# KiCad board PANEL5x4_COM_MOD.kicad_pcb (continued)
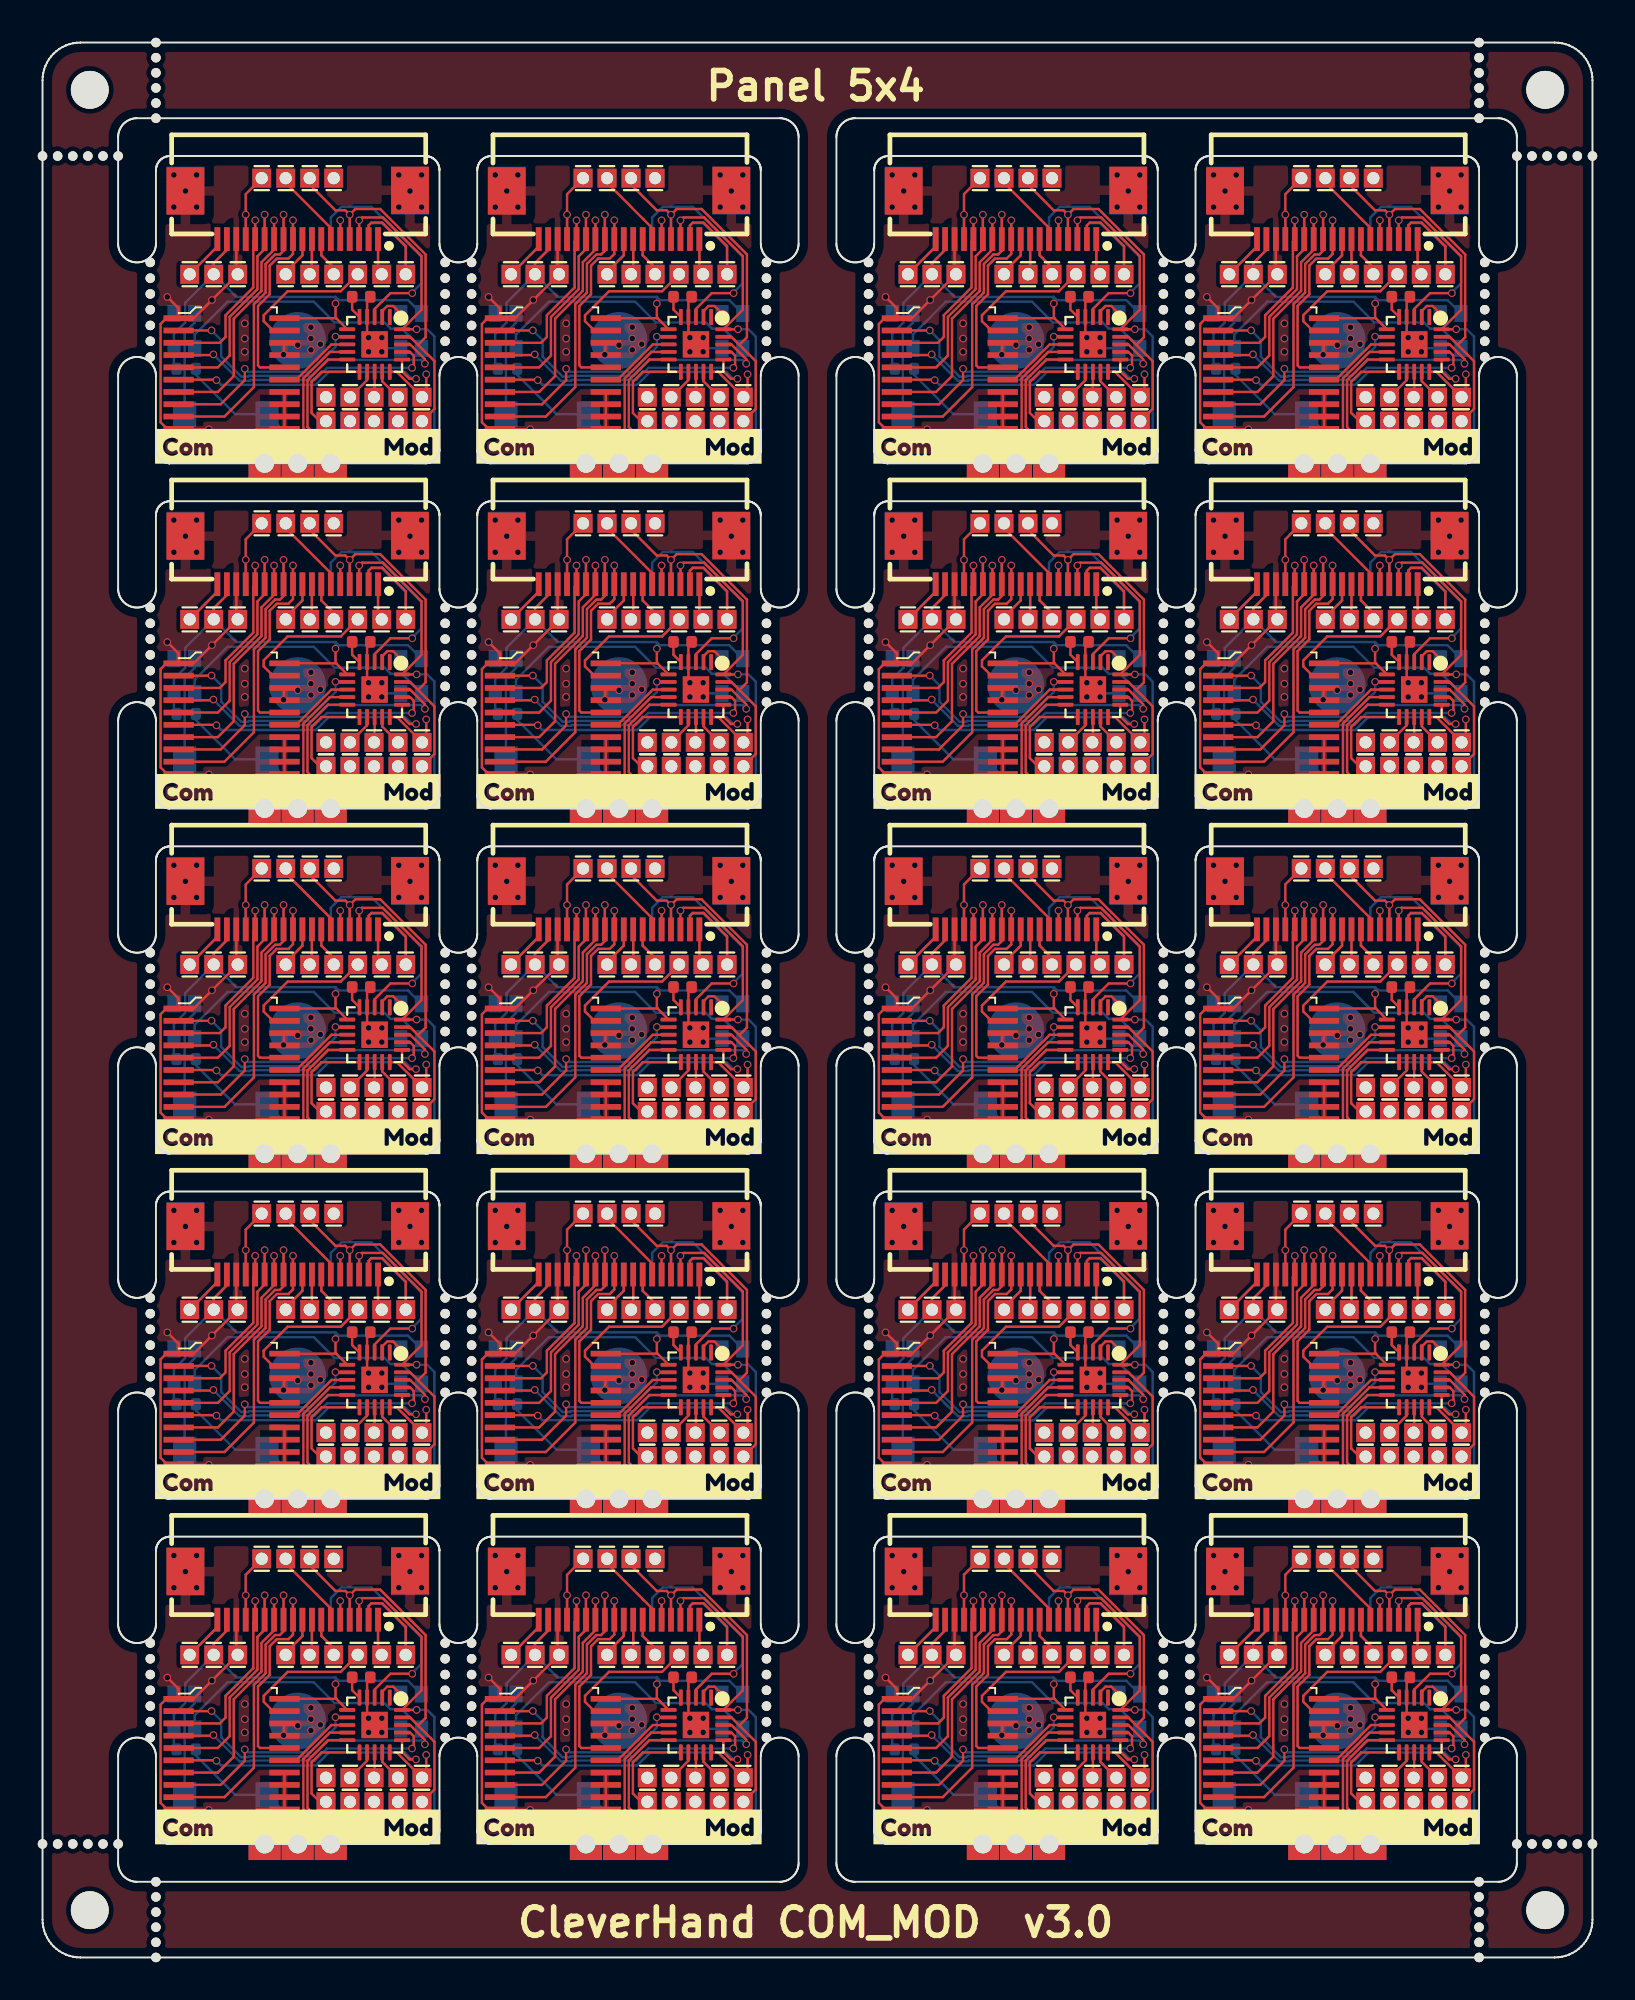
[diagram p0: board, top side]
## Routing (per net, layer and track width the routed paths; a pad name or vN(x,y) marks a point on that pad's centre or on a via; arc(x,y) is an arc through that point) (continued)
Board_6-/addr_mod_2: length 14.6
  Top w0.127: U1#19.16 57.02,65.62 57.42,65.22 v1(57.76,65.22) ; U2#5.6 47.17,65.18 v1(47.2,65.15)
  Bottom w0.127: v1(47.2,65.15) 47.45,64.9 52.46,64.9 53.14,65.58 57.18,65.58 57.55,65.22 v1(57.76,65.22)
Board_6-/addr_mod_3: length 11.2
  Top w0.127: U2#5.8 47.42,63.88 48.7,65.15 v1(48.7,65.75) ; v1(53.5,67.45) 53.68,67.45 53.69,67.44 U1#19.7
  Bottom w0.127: v1(53.5,67.45) 53.5,66.91 52.18,65.6 48.85,65.6 v1(48.7,65.75)
Board_6-/addr_mod_4: length 4.1
  Top w0.127: U2#5.15 51.42,65.18 53.29,67.04 54.12,67.04 U1#19.8
Board_6-/AIN0: length 5.3
  Top w0.127: U1#19.11 52.76,65.59 52.23,65.06 52.23,63.42 52.67,62.98 53,62.98
Board_6-/AUX1: length 4.9
  Top w0.127: J19#2.1 47.25,72.22 47.25,72.58
  Bottom w0.127: J19#2.1 47.25,72.22 47.25,72.58
Board_6-/AUX2: length 9.5
  Top w0.127: 55.25,72.58 55.25,73.33 55.4,73.48 55.97,73.48 57.22,72.24 J20#2.1
  Bottom w0.127: J20#2.1 57.22,72.19 55.96,73.45 55.37,73.45 55.25,73.33 55.25,72.58
Board_6-/AUX3: length 4.9
  Top w0.127: 48.75,72.58 v1(48.75,73.9) 48.75,74.99 J3#18.1
  Bottom w0.127: v1(48.75,73.9) 48.75,72.58
Board_6-/CSB: length 7.5
  Top w0.127: J8#20.1 53.77,69.85 50.97,69.85 49.7,68.58 49.7,68.27 50.19,67.78 U2#5.19
Board_6-/extRef: length 3.8
  Top w0.127: 55.75,72.58 55.75,70.95 J9#16.1
  Bottom w0.127: 55.75,72.58 55.75,70.95 J9#16.1
Board_6-/GPIO: length 17.7
  Top w0.127: U1#19.10 53.1,66.24 52.02,65.15 52.02,62.67 52.36,62.33 53.62,62.33 54.27,62.98
  Bottom w0.127: R1#9.2 46.11,65.43 48.19,63.35 49.88,63.35 50.91,62.33 53.62,62.33 54.27,62.98
Board_6-/i2C_SCL: length 22.5
  Top w0.127: v1(57.79,67.84) U1#19.20 58.05,68.87 58.05,71.71 56.01,73.75 54.9,73.75 v1(54.75,73.6) 54.75,72.58
  In2.Cu w0.127: v1(54.75,73.6) 54.75,74.49 J23.1
  Bottom w0.127: 56.81,62.98 57.46,62.33 58.73,62.33 58.73,67.46 58.35,67.84 v1(57.79,67.84) ; v1(54.75,73.6) 54.75,72.58
Board_6-/I2C_SDA: length 21.5
  Top w0.127: v1(54.25,73.9) 54.55,74.2 55.86,74.2 58.27,71.8 58.27,67.42 57.87,67.02 ; v1(54.25,73.9) 54.02,74.13 53.49,74.13 52.13,75.49 J10#19.1 ; v1(54.25,73.9) 54.25,72.58 ; 58.08,62.98 58.73,63.63 58.73,66.15 57.87,67.02 ; 57.87,67.02 57.44,67.44 U1#19.19
  Bottom w0.127: v1(54.25,73.9) 54.25,72.58
Board_6-/IO1_in: length 12.2
  Top w0.127: U1#19.3 55.57,68.92 56.4,69.75 v1(57.56,69.75)
  Bottom w0.127: v1(57.56,69.75) 57.56,69.79 58.05,70.28 58.05,71.66 55.4,74.31 53.81,74.31 53.25,73.75 53.25,72.58
Board_6-/IO1_out: length 24.7
  Top w0.127: 53.25,72.58 53.25,73.2 50.87,75.59 J4#10.1 ; U1#19.15 56.74,65.59 58.08,64.25 58.3,64.47 v1(58.3,65.46)
  In2.Cu w0.127: v1(58.3,65.46) 58.64,65.8 58.64,71.46 55.7,74.4 55.7,74.84 54.01,76.53 51.09,76.53 50.87,76.3 J4#10.1
Board_6-/IO2: length 2.1
  Top w0.127: v1(53.75,73.6) 53.75,72.58
  Bottom w0.127: 53.75,72.58 v1(53.75,73.6)
Board_6-/LED_IN: length 1.6
  Top w0.127: U1#19.2 55.97,68.8 56.23,69.07 56.55,69.07 v1(56.95,68.67)
Board_6-/PICO: length 3.7
  Top w0.127: J6#3.1 52.25,70.87 52.25,72.58
  Bottom w0.127: 52.25,72.58 52.25,70.87 J6#3.1
Board_6-/PICO_ARM: length 1.4
  Top w0.127: U1#19.13 55.57,64.28 55.54,64.25
Board_6-/POCI: length 4.4
  Top w0.127: 51.75,72.58 51.75,71.75 50.87,70.87 J5#15.1
  Bottom w0.127: 51.75,72.58 51.75,71.75 50.87,70.87 J5#15.1
Board_6-/SCLK: length 4.2
  Top w0.127: 52.75,72.58 52.75,71.75 53.41,71.1 J7#5.1
  Bottom w0.127: J7#5.1 53.41,71.1 52.75,71.75 52.75,72.58
Board_6-/SCLK_ARM: length 1.7
  Top w0.127: U1#19.12 55.17,65.15 54.27,64.25
Board_6-/SPICS_ARM: length 9.9
  Top w0.127: 55.54,62.98 54.67,62.11 52.27,62.11 51.8,62.58 51.8,65.24 53.2,66.64 U1#19.9
Board_6-/SWDIO/POCI_ARM: length 1.7
  Top w0.127: 56.81,64.25 55.97,65.09 U1#19.14
Board_6-/Vcap: length 1.2
  Top w0.127: U1#19.5 54.38,68.88 C1#17.2
Board_6-GND: length 34.7
  Top w0.127: U2#5.1 45.2,68.95 v1(44.6,69.55) ; U2#5.1 46,68.43 v1(46.96,69.39) J2#10.1 48.25,70.83 48.25,72.58 ; U2#5.1 44.55,68.43 44.25,68.12 44.25,62.92 44.59,62.58 U2#5.10 45.23,62.55 v1(46.8,62.55) ; U2#5.11 51.45,62.58 ; U2#5.11 49.32,62.58 v1(49.1,62.35) ; U2#5.11 U2#5.14 50.34,64.53 ; U2#5.18 v1(50.75,66.5) U2#5.17 ; C1#17.1 55.17,69.39 U1#19.4 55.17,67.44 55.21,67.4 v1(55.25,67.4) 55.25,67.36 U1#19.21
  Bottom w0.127: J2#10.1 48.25,70.83 48.25,72.58 ; 55.66,66.84 55.76,66.84 v1(55.95,66.65) 56.13,66.84 56.95,66.84 ; v1(46.96,69.39) 46.24,68.67 46.05,68.67 46.05,68.19 45.51,67.65 45.51,63.35
  vias: v1(44.95,76) v1(44.95,74.3) v1(45.56,75.15) v1(46.15,76) v1(46.15,74.3) v1(48.7,68.15) v1(48.7,67.35) v1(48.7,66.65) v1(51.5,67) v1(52.2,67.95) v1(52.2,67.35) v1(52.2,66.75) v1(52.7,67.05) v1(55.25,66.65) v1(55.95,67.4) v1(56.85,76) v1(56.85,74.3) v1(57.44,75.15) v1(58.05,76) v1(58.05,74.3)
Board_6-Net-(LED1-DO): length 14.5
  Bottom w0.127: 58.05,66.84 57.01,67.88 56.41,67.88 56.09,68.2 53.45,68.2 52.35,69.3 47.79,69.3 46.05,67.56 46.05,66.84
Board_7-+3.3V: length 26.7
  Top w0.127: U1#13.6 70.55,68.41 ; 70.55,68.41 70.53,68.43 U2#10.20 ; 70.55,68.41 70.5,68.46 v1(70.5,69.2) ; 64.75,72.58 64.75,72.04 64.06,71.34 J1#13.1
  Bottom w0.127: 75.05,68.67 74.34,69.38 70.67,69.38 70.5,69.55 ; J1#13.1 65.25,69.55 70.5,69.55 ; J1#13.1 64.06,71.34 64.75,72.04 64.75,72.58 ; J1#13.1 62.55,69.24 62.55,68.2 61.95,67.6 61.95,65.89 R1#13.1 ; 70.5,69.55 v1(70.5,69.2)
Board_7-/addr_bus_0: length 10.5
  Top w0.127: v1(66.25,73.6) 66.25,72.58 66.15,72.48 66.15,70.05 64.68,68.58 64.68,67.43 64.37,67.13 U2#10.3
  Bottom w0.127: 66.25,72.58 v1(66.25,73.6)
Board_7-/addr_bus_1: length 12.5
  Top w0.127: U2#10.5 64.27,65.83 64.9,66.45 64.9,68.49 66.37,69.96 66.37,71.7 66.75,72.08 v1(66.75,73.9)
  Bottom w0.127: 66.75,72.58 v1(66.75,73.9)
Board_7-/addr_bus_2: length 13.4
  Top w0.127: U2#10.7 64.27,64.53 65.12,65.37 65.12,68.4 66.58,69.87 66.58,71.38 67.25,72.05 v1(67.25,73.6)
  Bottom w0.127: 67.25,72.58 v1(67.25,73.6)
Board_7-/addr_bus_3: length 15.9
  Top w0.127: v1(67.75,73.9) 67.75,71.99 67.55,71.8 67.3,71.8 66.8,71.29 66.8,69.78 66.18,69.16 66.18,64.78 64.62,63.23 U2#10.9
  Bottom w0.127: 67.75,72.58 v1(67.75,73.9)
Board_7-/addr_bus_4: length 11.3
  Top w0.127: v1(68.25,73.6) 68.25,71.82 68.01,71.58 67.39,71.58 67.02,71.2 67.02,69.69 66.4,69.07 66.4,65.93 66.5,65.83 U2#10.16
  Bottom w0.127: 68.25,72.58 v1(68.25,73.6)
Board_7-/addr_mod_0: length 16.8
  Top w0.127: U2#10.2 63.93,67.78 v1(63.94,67.78) ; v1(75.23,66.02) 75.23,66.26 74.44,67.04 U1#13.18
  Bottom w0.127: v1(63.94,67.78) 64.45,67.27 64.45,66.4 65.51,65.34 65.87,65.34 65.91,65.38 69.27,65.38 70.12,66.22 75.03,66.22 v1(75.23,66.02)
Board_7-/addr_mod_1: length 14.6
  Top w0.127: v1(74.55,65.8) 74.55,65.86 74.64,65.95 74.64,66.45 74.44,66.64 U1#13.17 ; v1(64.04,66.51) 64,66.48 U2#10.4
  Bottom w0.127: v1(74.55,65.8) 70.05,65.8 69.41,65.16 66,65.16 65.96,65.12 65.42,65.12 64.04,66.5 v1(64.04,66.51)
Board_7-/addr_mod_2: length 14.6
  Top w0.127: U1#13.16 74.02,65.62 74.42,65.22 v1(74.76,65.22) ; v1(64.2,65.15) 64.17,65.18 U2#10.6
  Bottom w0.127: v1(74.76,65.22) 74.55,65.22 74.18,65.58 70.14,65.58 69.46,64.9 64.45,64.9 v1(64.2,65.15)
Board_7-/addr_mod_3: length 11.2
  Top w0.127: U2#10.8 64.42,63.88 65.7,65.15 v1(65.7,65.75) ; U1#13.7 70.69,67.44 70.68,67.45 v1(70.5,67.45)
  Bottom w0.127: v1(70.5,67.45) 70.5,66.91 69.18,65.6 65.85,65.6 v1(65.7,65.75)
Board_7-/addr_mod_4: length 4.1
  Top w0.127: U2#10.15 68.42,65.18 70.29,67.04 71.12,67.04 U1#13.8
Board_7-/AIN0: length 5.3
  Top w0.127: 70,62.98 69.67,62.98 69.23,63.42 69.23,65.06 69.76,65.59 U1#13.11
Board_7-/AUX1: length 4.9
  Top w0.127: 64.25,72.58 64.25,72.22 J19#14.1
  Bottom w0.127: J19#14.1 64.25,72.22 64.25,72.58
Board_7-/AUX2: length 9.5
  Top w0.127: 72.25,72.58 72.25,73.33 72.4,73.48 72.97,73.48 74.22,72.24 J20#18.1
  Bottom w0.127: 72.25,72.58 72.25,73.33 72.37,73.45 72.96,73.45 74.22,72.19 J20#18.1
Board_7-/AUX3: length 4.9
  Top w0.127: J3#20.1 65.75,74.99 v1(65.75,73.9) 65.75,72.58
  Bottom w0.127: v1(65.75,73.9) 65.75,72.58
Board_7-/CSB: length 7.5
  Top w0.127: J8#8.1 70.78,69.85 67.97,69.85 66.7,68.58 66.7,68.27 67.19,67.78 U2#10.19
Board_7-/extRef: length 3.8
  Top w0.127: 72.75,72.58 72.75,70.95 J9#10.1
  Bottom w0.127: J9#10.1 72.75,70.95 72.75,72.58
Board_7-/GPIO: length 17.7
  Top w0.127: U1#13.10 70.1,66.24 69.02,65.15 69.02,62.67 69.36,62.33 70.62,62.33 71.27,62.98
  Bottom w0.127: 71.27,62.98 70.62,62.33 67.91,62.33 66.88,63.35 65.19,63.35 63.11,65.43 R1#13.2
Board_7-/i2C_SCL: length 22.5
  Top w0.127: 71.75,72.58 v1(71.75,73.6) 71.9,73.75 73.01,73.75 75.05,71.71 75.05,68.87 U1#13.20 v1(74.79,67.84)
  In2.Cu w0.127: J23#16.1 71.75,74.49 v1(71.75,73.6)
  Bottom w0.127: v1(74.79,67.84) 75.35,67.84 75.73,67.46 75.73,62.33 74.46,62.33 73.81,62.98 ; v1(71.75,73.6) 71.75,72.58
Board_7-/I2C_SDA: length 21.5
  Top w0.127: 74.87,67.02 74.44,67.44 U1#13.19 ; 74.87,67.02 75.27,67.42 75.27,71.8 72.86,74.2 71.55,74.2 v1(71.25,73.9) ; 74.87,67.02 75.73,66.15 75.73,63.63 75.08,62.98 ; v1(71.25,73.9) 71.25,72.58 ; v1(71.25,73.9) 71.02,74.13 70.5,74.13 69.14,75.49 J10#2.1
  Bottom w0.127: v1(71.25,73.9) 71.25,72.58
Board_7-/IO1_in: length 12.2
  Top w0.127: v1(74.56,69.75) 73.4,69.75 72.57,68.92 U1#13.3
  Bottom w0.127: v1(74.56,69.75) 74.56,69.79 75.05,70.28 75.05,71.66 72.4,74.31 70.81,74.31 70.25,73.75 70.25,72.58
Board_7-/IO1_out: length 24.7
  Top w0.127: 70.25,72.58 70.25,73.2 67.86,75.59 J4#4.1 ; U1#13.15 73.74,65.59 75.08,64.25 75.3,64.47 v1(75.3,65.46)
  In2.Cu w0.127: v1(75.3,65.46) 75.64,65.8 75.64,71.46 72.7,74.4 72.7,74.84 71.01,76.53 68.09,76.53 67.86,76.3 J4#4.1
Board_7-/IO2: length 2.1
  Top w0.127: v1(70.75,73.6) 70.75,72.58
  Bottom w0.127: 70.75,72.58 v1(70.75,73.6)
Board_7-/LED_IN: length 1.6
  Top w0.127: U1#13.2 72.97,68.8 73.23,69.07 73.55,69.07 v1(73.95,68.67)
Board_7-/PICO: length 3.7
  Top w0.127: J6#15.1 69.25,70.87 69.25,72.58
  Bottom w0.127: J6#15.1 69.25,70.87 69.25,72.58
Board_7-/PICO_ARM: length 1.4
  Top w0.127: 72.54,64.25 72.57,64.28 U1#13.13
Board_7-/POCI: length 4.4
  Top w0.127: 68.75,72.58 68.75,71.75 67.86,70.87 J5#9.1
  Bottom w0.127: 68.75,72.58 68.75,71.75 67.86,70.87 J5#9.1
Board_7-/SCLK: length 4.2
  Top w0.127: 69.75,72.58 69.75,71.75 70.41,71.1 J7#15.1
  Bottom w0.127: 69.75,72.58 69.75,71.75 70.41,71.1 J7#15.1
Board_7-/SCLK_ARM: length 1.7
  Top w0.127: U1#13.12 72.17,65.15 71.27,64.25
Board_7-/SPICS_ARM: length 9.9
  Top w0.127: 72.54,62.98 71.67,62.11 69.27,62.11 68.8,62.58 68.8,65.24 70.2,66.64 U1#13.9
Board_7-/SWDIO/POCI_ARM: length 1.7
  Top w0.127: 73.81,64.25 72.97,65.09 U1#13.14
Board_7-/Vcap: length 1.2
  Top w0.127: C1#8.2 71.38,68.88 U1#13.5
Board_7-GND: length 34.7
  Top w0.127: 65.25,72.58 65.25,70.83 J2#11.1 v1(63.96,69.39) 63,68.43 U2#10.1 ; U2#10.11 66.32,62.58 v1(66.1,62.35) ; U2#10.11 68.45,62.58 ; U2#10.11 U2#10.14 67.34,64.53 ; U2#10.1 61.55,68.43 61.25,68.12 61.25,62.92 61.59,62.58 U2#10.10 62.23,62.55 v1(63.8,62.55) ; U2#10.1 62.2,68.95 v1(61.6,69.55) ; U1#13.21 72.25,67.36 v1(72.25,67.4) 72.21,67.4 72.17,67.44 U1#13.4 72.17,69.39 C1#8.1 ; U2#10.17 v1(67.75,66.5) U2#10.18
  Bottom w0.127: 65.25,72.58 65.25,70.83 J2#11.1 ; v1(63.96,69.39) 63.24,68.67 63.05,68.67 63.05,68.19 62.51,67.65 62.51,63.35 ; 72.66,66.84 72.76,66.84 v1(72.95,66.65) 73.13,66.84 73.95,66.84
  vias: v1(61.95,76) v1(61.95,74.3) v1(62.56,75.15) v1(63.15,76) v1(63.15,74.3) v1(65.7,68.15) v1(65.7,67.35) v1(65.7,66.65) v1(68.5,67) v1(69.2,67.95) v1(69.2,67.35) v1(69.2,66.75) v1(69.7,67.05) v1(72.25,66.65) v1(72.95,67.4) v1(73.85,76) v1(73.85,74.3) v1(74.44,75.15) v1(75.05,76) v1(75.05,74.3)
Board_7-Net-(LED1-DO): length 14.5
  Bottom w0.127: 63.05,66.84 63.05,67.56 64.79,69.3 69.35,69.3 70.45,68.2 73.09,68.2 73.41,67.88 74.01,67.88 75.05,66.84
Board_8-+3.3V: length 26.7
  Top w0.127: 15.55,50.16 15.5,50.21 v1(15.5,50.95) ; 15.55,50.16 U1#14.6 ; 15.55,50.16 15.53,50.18 U2#13.20 ; J1#8.1 9.05,53.09 9.75,53.79 9.75,54.33
  Bottom w0.127: J1#8.1 9.05,53.09 9.75,53.79 9.75,54.33 ; J1#8.1 7.55,50.99 7.55,49.95 6.95,49.35 6.95,47.64 R1#6.1 ; J1#8.1 10.25,51.3 15.5,51.3 ; 15.5,51.3 v1(15.5,50.95) ; 15.5,51.3 15.67,51.13 19.34,51.13 20.05,50.42
Board_8-/addr_bus_0: length 10.5
  Top w0.127: U2#13.3 9.37,48.88 9.68,49.18 9.68,50.33 11.15,51.8 11.15,54.23 11.25,54.33 v1(11.25,55.35)
  Bottom w0.127: 11.25,54.33 v1(11.25,55.35)
Board_8-/addr_bus_1: length 12.5
  Top w0.127: U2#13.5 9.27,47.58 9.9,48.2 9.9,50.24 11.37,51.71 11.37,53.45 11.75,53.83 v1(11.75,55.65)
  Bottom w0.127: 11.75,54.33 v1(11.75,55.65)
Board_8-/addr_bus_2: length 13.4
  Top w0.127: v1(12.25,55.35) 12.25,53.8 11.58,53.13 11.58,51.62 10.12,50.15 10.12,47.12 9.27,46.28 U2#13.7
  Bottom w0.127: 12.25,54.33 v1(12.25,55.35)
Board_8-/addr_bus_3: length 15.9
  Top w0.127: v1(12.75,55.65) 12.75,53.74 12.55,53.55 12.3,53.55 11.8,53.04 11.8,51.53 11.18,50.91 11.18,46.53 9.62,44.98 U2#13.9
  Bottom w0.127: 12.75,54.33 v1(12.75,55.65)
Board_8-/addr_bus_4: length 11.3
  Top w0.127: U2#13.16 11.5,47.58 11.4,47.68 11.4,50.82 12.02,51.44 12.02,52.95 12.39,53.33 13.01,53.33 13.25,53.57 v1(13.25,55.35)
  Bottom w0.127: 13.25,54.33 v1(13.25,55.35)
Board_8-/addr_mod_0: length 16.8
  Top w0.127: U1#14.18 19.44,48.79 20.23,48.01 v1(20.23,47.77) ; v1(8.94,49.53) 8.93,49.53 U2#13.2
  Bottom w0.127: v1(8.94,49.53) 9.45,49.02 9.45,48.15 10.51,47.09 10.87,47.09 10.91,47.13 14.27,47.13 15.12,47.97 20.03,47.97 v1(20.23,47.77)
Board_8-/addr_mod_1: length 14.6
  Top w0.127: v1(9.04,48.26) 9,48.23 U2#13.4 ; v1(19.55,47.55) 19.55,47.61 19.64,47.7 19.64,48.2 19.44,48.39 U1#14.17
  Bottom w0.127: v1(9.04,48.26) 9.04,48.25 10.42,46.87 10.96,46.87 11,46.91 14.41,46.91 15.05,47.55 v1(19.55,47.55)
Board_8-/addr_mod_2: length 14.6
  Top w0.127: U1#14.16 19.02,47.37 19.42,46.97 v1(19.76,46.97) ; v1(9.2,46.9) 9.17,46.93 U2#13.6
  Bottom w0.127: v1(9.2,46.9) 9.45,46.65 14.46,46.65 15.14,47.33 19.18,47.33 19.55,46.97 v1(19.76,46.97)
Board_8-/addr_mod_3: length 11.2
  Top w0.127: U2#13.8 9.42,45.63 10.7,46.9 v1(10.7,47.5) ; v1(15.5,49.2) 15.68,49.2 15.69,49.19 U1#14.7
  Bottom w0.127: v1(10.7,47.5) 10.85,47.35 14.18,47.35 15.5,48.66 v1(15.5,49.2)
Board_8-/addr_mod_4: length 4.1
  Top w0.127: U1#14.8 16.12,48.79 15.29,48.79 13.42,46.93 U2#13.15
Board_8-/AIN0: length 5.3
  Top w0.127: U1#14.11 14.76,47.34 14.23,46.81 14.23,45.17 14.67,44.73 15,44.73
Board_8-/AUX1: length 4.9
  Top w0.127: J19.1 9.25,53.97 9.25,54.33
  Bottom w0.127: J19.1 9.25,53.97 9.25,54.33
Board_8-/AUX2: length 9.5
  Top w0.127: J20#11.1 19.21,53.99 17.97,55.23 17.4,55.23 17.25,55.08 17.25,54.33
  Bottom w0.127: 17.25,54.33 17.25,55.08 17.37,55.2 17.96,55.2 19.21,53.94 J20#11.1
Board_8-/AUX3: length 4.9
  Top w0.127: J3#11.1 10.75,56.74 v1(10.75,55.65) 10.75,54.33
  Bottom w0.127: v1(10.75,55.65) 10.75,54.33
Board_8-/CSB: length 7.5
  Top w0.127: J8#10.1 15.77,51.6 12.97,51.6 11.7,50.33 11.7,50.02 12.19,49.53 U2#13.19
Board_8-/extRef: length 3.8
  Top w0.127: J9#20.1 17.75,52.7 17.75,54.33
  Bottom w0.127: J9#20.1 17.75,52.7 17.75,54.33
Board_8-/GPIO: length 17.7
  Top w0.127: U1#14.10 15.1,47.99 14.02,46.9 14.02,44.42 14.36,44.08 15.62,44.08 16.27,44.73
  Bottom w0.127: R1#6.2 8.11,47.18 10.19,45.1 11.88,45.1 12.91,44.08 15.62,44.08 16.27,44.73
Board_8-/i2C_SCL: length 22.5
  Top w0.127: 16.75,54.33 v1(16.75,55.35) 16.9,55.5 18.01,55.5 20.05,53.46 20.05,50.62 U1#14.20 v1(19.79,49.59)
  In2.Cu w0.127: J23#11.1 16.75,56.24 v1(16.75,55.35)
  Bottom w0.127: v1(19.79,49.59) 20.35,49.59 20.73,49.21 20.73,44.08 19.46,44.08 18.81,44.73 ; v1(16.75,55.35) 16.75,54.33
Board_8-/I2C_SDA: length 21.5
  Top w0.127: v1(16.25,55.65) 16.02,55.88 15.5,55.88 14.14,57.24 J10#5.1 ; v1(16.25,55.65) 16.25,54.33 ; v1(16.25,55.65) 16.55,55.95 17.86,55.95 20.27,53.55 20.27,49.17 19.87,48.77 ; 19.87,48.77 19.44,49.19 U1#14.19 ; 19.87,48.77 20.73,47.9 20.73,45.38 20.08,44.73
  Bottom w0.127: v1(16.25,55.65) 16.25,54.33
Board_8-/IO1_in: length 12.2
  Top w0.127: v1(19.56,51.5) 18.4,51.5 17.57,50.67 U1#14.3
  Bottom w0.127: v1(19.56,51.5) 19.56,51.54 20.05,52.03 20.05,53.41 17.4,56.06 15.81,56.06 15.25,55.5 15.25,54.33
Board_8-/IO1_out: length 24.7
  Top w0.127: v1(20.3,47.21) 20.3,46.22 20.08,46 18.74,47.34 U1#14.15 ; 15.25,54.33 15.25,54.95 12.86,57.34 J4#8.1
  In2.Cu w0.127: v1(20.3,47.21) 20.64,47.55 20.64,53.21 17.7,56.15 17.7,56.59 16.01,58.28 13.09,58.28 12.86,58.05 J4#8.1
Board_8-/IO2: length 2.1
  Top w0.127: v1(15.75,55.35) 15.75,54.33
  Bottom w0.127: 15.75,54.33 v1(15.75,55.35)
Board_8-/LED_IN: length 1.6
  Top w0.127: U1#14.2 17.97,50.55 18.23,50.82 18.55,50.82 v1(18.95,50.42)
Board_8-/PICO: length 3.7
  Top w0.127: 14.25,54.33 14.25,52.62 J6#8.1
  Bottom w0.127: 14.25,54.33 14.25,52.62 J6#8.1
Board_8-/PICO_ARM: length 1.4
  Top w0.127: U1#14.13 17.57,46.03 17.54,46
Board_8-/POCI: length 4.4
  Top w0.127: 13.75,54.33 13.75,53.5 12.86,52.62 J5#6.1
  Bottom w0.127: J5#6.1 12.86,52.62 13.75,53.5 13.75,54.33
Board_8-/SCLK: length 4.2
  Top w0.127: J7#10.1 15.41,52.85 14.75,53.5 14.75,54.33
  Bottom w0.127: 14.75,54.33 14.75,53.5 15.41,52.85 J7#10.1
Board_8-/SCLK_ARM: length 1.7
  Top w0.127: U1#14.12 17.17,46.9 16.27,46
Board_8-/SPICS_ARM: length 9.9
  Top w0.127: 17.54,44.73 16.67,43.86 14.27,43.86 13.8,44.33 13.8,46.99 15.2,48.39 U1#14.9
Board_8-/SWDIO/POCI_ARM: length 1.7
  Top w0.127: U1#14.14 17.97,46.84 18.81,46
Board_8-/Vcap: length 1.2
  Top w0.127: U1#14.5 16.38,50.63 C1#11.2
Board_8-GND: length 34.7
  Top w0.127: U2#13.17 v1(12.75,48.25) U2#13.18 ; 10.25,54.33 10.25,52.58 J2#5.1 v1(8.96,51.14) 8,50.18 U2#13.1 ; v1(11.1,44.1) 11.32,44.33 U2#13.11 ; v1(6.6,51.3) 7.2,50.7 U2#13.1 ; U1#14.21 17.25,49.11 v1(17.25,49.15) 17.21,49.15 17.17,49.19 U1#14.4 17.17,51.14 C1#11.1 ; U2#13.1 6.55,50.18 6.25,49.87 6.25,44.67 6.59,44.33 U2#13.10 7.23,44.3 v1(8.8,44.3) ; U2#13.11 13.45,44.33 ; U2#13.11 U2#13.14 12.34,46.28
  Bottom w0.127: 18.95,48.59 18.13,48.59 v1(17.95,48.4) 17.76,48.59 17.66,48.59 ; 10.25,54.33 10.25,52.58 J2#5.1 ; v1(8.96,51.14) 8.24,50.42 8.05,50.42 8.05,49.94 7.51,49.4 7.51,45.1
  vias: v1(6.95,57.75) v1(6.95,56.05) v1(7.56,56.9) v1(8.15,57.75) v1(8.15,56.05) v1(10.7,49.9) v1(10.7,49.1) v1(10.7,48.4) v1(13.5,48.75) v1(14.2,49.7) v1(14.2,49.1) v1(14.2,48.5) v1(14.7,48.8) v1(17.25,48.4) v1(17.95,49.15) v1(18.85,57.75) v1(18.85,56.05) v1(19.44,56.9) v1(20.05,57.75) v1(20.05,56.05)
Board_8-Net-(LED1-DO): length 14.5
  Bottom w0.127: 8.05,48.59 8.05,49.31 9.79,51.05 14.35,51.05 15.45,49.95 18.09,49.95 18.41,49.63 19.01,49.63 20.05,48.59
Board_9-+3.3V: length 26.7
  Top w0.127: U2#6.20 32.53,50.18 32.55,50.16 ; 26.75,54.33 26.75,53.79 26.05,53.09 J1#12.1 ; 32.55,50.16 32.5,50.21 v1(32.5,50.95) ; 32.55,50.16 U1#17.6
  Bottom w0.127: 26.75,54.33 26.75,53.79 26.05,53.09 J1#12.1 ; J1#12.1 27.26,51.3 32.5,51.3 ; J1#12.1 24.55,50.99 24.55,49.95 23.95,49.35 23.95,47.64 R1#12.1 ; 32.5,51.3 v1(32.5,50.95) ; 32.5,51.3 32.67,51.13 36.34,51.13 37.05,50.42
Board_9-/addr_bus_0: length 10.5
  Top w0.127: v1(28.25,55.35) 28.25,54.33 28.15,54.23 28.15,51.8 26.68,50.33 26.68,49.18 26.37,48.88 U2#6.3
  Bottom w0.127: 28.25,54.33 v1(28.25,55.35)
Board_9-/addr_bus_1: length 12.5
  Top w0.127: U2#6.5 26.27,47.58 26.9,48.2 26.9,50.24 28.37,51.71 28.37,53.45 28.75,53.83 v1(28.75,55.65)
  Bottom w0.127: 28.75,54.33 v1(28.75,55.65)
Board_9-/addr_bus_2: length 13.4
  Top w0.127: v1(29.25,55.35) 29.25,53.8 28.58,53.13 28.58,51.62 27.12,50.15 27.12,47.12 26.27,46.28 U2#6.7
  Bottom w0.127: 29.25,54.33 v1(29.25,55.35)
Board_9-/addr_bus_3: length 15.9
  Top w0.127: U2#6.9 26.62,44.98 28.18,46.53 28.18,50.91 28.8,51.53 28.8,53.04 29.3,53.55 29.55,53.55 29.75,53.74 v1(29.75,55.65)
  Bottom w0.127: 29.75,54.33 v1(29.75,55.65)
Board_9-/addr_bus_4: length 11.3
  Top w0.127: v1(30.25,55.35) 30.25,53.57 30.01,53.33 29.39,53.33 29.02,52.95 29.02,51.44 28.4,50.82 28.4,47.68 28.5,47.58 U2#6.16
  Bottom w0.127: 30.25,54.33 v1(30.25,55.35)
Board_9-/addr_mod_0: length 16.8
  Top w0.127: U1#17.18 36.44,48.79 37.23,48.01 v1(37.23,47.77) ; v1(25.94,49.53) 25.93,49.53 U2#6.2
  Bottom w0.127: v1(37.23,47.77) 37.03,47.97 32.12,47.97 31.27,47.13 27.91,47.13 27.87,47.09 27.51,47.09 26.45,48.15 26.45,49.02 v1(25.94,49.53)
Board_9-/addr_mod_1: length 14.6
  Top w0.127: v1(36.55,47.55) 36.55,47.61 36.64,47.7 36.64,48.2 36.44,48.39 U1#17.17 ; U2#6.4 26,48.23 v1(26.04,48.26)
  Bottom w0.127: v1(26.04,48.26) 26.04,48.25 27.42,46.87 27.96,46.87 28,46.91 31.41,46.91 32.05,47.55 v1(36.55,47.55)
Board_9-/addr_mod_2: length 14.6
  Top w0.127: U2#6.6 26.17,46.93 v1(26.2,46.9) ; U1#17.16 36.02,47.37 36.42,46.97 v1(36.76,46.97)
  Bottom w0.127: v1(36.76,46.97) 36.55,46.97 36.18,47.33 32.14,47.33 31.46,46.65 26.45,46.65 v1(26.2,46.9)
Board_9-/addr_mod_3: length 11.2
  Top w0.127: U1#17.7 32.69,49.19 32.68,49.2 v1(32.5,49.2) ; U2#6.8 26.42,45.63 27.7,46.9 v1(27.7,47.5)
  Bottom w0.127: v1(27.7,47.5) 27.85,47.35 31.18,47.35 32.5,48.66 v1(32.5,49.2)
Board_9-/addr_mod_4: length 4.1
  Top w0.127: U1#17.8 33.12,48.79 32.29,48.79 30.42,46.93 U2#6.15
Board_9-/AIN0: length 5.3
  Top w0.127: 32,44.73 31.67,44.73 31.23,45.17 31.23,46.81 31.76,47.34 U1#17.11
Board_9-/AUX1: length 4.9
  Top w0.127: 26.25,54.33 26.25,53.97 J19#18.1
  Bottom w0.127: 26.25,54.33 26.25,53.97 J19#18.1
Board_9-/AUX2: length 9.5
  Top w0.127: J20#6.1 36.22,53.99 34.97,55.23 34.4,55.23 34.25,55.08 34.25,54.33
  Bottom w0.127: 34.25,54.33 34.25,55.08 34.37,55.2 34.96,55.2 36.22,53.94 J20#6.1
Board_9-/AUX3: length 4.9
  Top w0.127: 27.75,54.33 v1(27.75,55.65) 27.75,56.74 J3#17.1
  Bottom w0.127: v1(27.75,55.65) 27.75,54.33
Board_9-/CSB: length 7.5
  Top w0.127: J8#15.1 32.77,51.6 29.97,51.6 28.7,50.33 28.7,50.02 29.19,49.53 U2#6.19
Board_9-/extRef: length 3.8
  Top w0.127: J9#19.1 34.75,52.7 34.75,54.33
  Bottom w0.127: J9#19.1 34.75,52.7 34.75,54.33
Board_9-/GPIO: length 17.7
  Top w0.127: U1#17.10 32.1,47.99 31.02,46.9 31.02,44.42 31.36,44.08 32.62,44.08 33.27,44.73
  Bottom w0.127: 33.27,44.73 32.62,44.08 29.91,44.08 28.88,45.1 27.19,45.1 25.11,47.18 R1#12.2
Board_9-/i2C_SCL: length 22.5
  Top w0.127: v1(36.79,49.59) U1#17.20 37.05,50.62 37.05,53.46 35.01,55.5 33.9,55.5 v1(33.75,55.35) 33.75,54.33
  In2.Cu w0.127: J23#3.1 33.75,56.24 v1(33.75,55.35)
  Bottom w0.127: v1(33.75,55.35) 33.75,54.33 ; 35.81,44.73 36.46,44.08 37.73,44.08 37.73,49.21 37.35,49.59 v1(36.79,49.59)
Board_9-/I2C_SDA: length 21.5
  Top w0.127: 36.87,48.77 37.27,49.17 37.27,53.55 34.86,55.95 33.55,55.95 v1(33.25,55.65) ; 36.87,48.77 36.44,49.19 U1#17.19 ; 36.87,48.77 37.73,47.9 37.73,45.38 37.08,44.73 ; J10#14.1 31.13,57.24 32.49,55.88 33.02,55.88 v1(33.25,55.65) ; v1(33.25,55.65) 33.25,54.33
  Bottom w0.127: v1(33.25,55.65) 33.25,54.33
Board_9-/IO1_in: length 12.2
  Top w0.127: U1#17.3 34.57,50.67 35.4,51.5 v1(36.56,51.5)
  Bottom w0.127: v1(36.56,51.5) 36.56,51.54 37.05,52.03 37.05,53.41 34.4,56.06 32.81,56.06 32.25,55.5 32.25,54.33
Board_9-/IO1_out: length 24.7
  Top w0.127: 32.25,54.33 32.25,54.95 29.87,57.34 J4#14.1 ; U1#17.15 35.74,47.34 37.08,46 37.3,46.22 v1(37.3,47.21)
  In2.Cu w0.127: J4#14.1 29.87,58.05 30.09,58.28 33.01,58.28 34.7,56.59 34.7,56.15 37.64,53.21 37.64,47.55 v1(37.3,47.21)
Board_9-/IO2: length 2.1
  Top w0.127: v1(32.75,55.35) 32.75,54.33
  Bottom w0.127: 32.75,54.33 v1(32.75,55.35)
Board_9-/LED_IN: length 1.6
  Top w0.127: v1(35.95,50.42) 35.55,50.82 35.23,50.82 34.97,50.55 U1#17.2
Board_9-/PICO: length 3.7
  Top w0.127: J6#10.1 31.25,52.62 31.25,54.33
  Bottom w0.127: J6#10.1 31.25,52.62 31.25,54.33
Board_9-/PICO_ARM: length 1.4
  Top w0.127: 34.54,46 34.57,46.03 U1#17.13
Board_9-/POCI: length 4.4
  Top w0.127: 30.75,54.33 30.75,53.5 29.87,52.62 J5#16.1
  Bottom w0.127: J5#16.1 29.87,52.62 30.75,53.5 30.75,54.33
Board_9-/SCLK: length 4.2
  Top w0.127: J7#13.1 32.41,52.85 31.75,53.5 31.75,54.33
  Bottom w0.127: J7#13.1 32.41,52.85 31.75,53.5 31.75,54.33
Board_9-/SCLK_ARM: length 1.7
  Top w0.127: U1#17.12 34.17,46.9 33.27,46
Board_9-/SPICS_ARM: length 9.9
  Top w0.127: 34.54,44.73 33.67,43.86 31.27,43.86 30.8,44.33 30.8,46.99 32.2,48.39 U1#17.9
Board_9-/SWDIO/POCI_ARM: length 1.7
  Top w0.127: 35.81,46 34.97,46.84 U1#17.14
Board_9-/Vcap: length 1.2
  Top w0.127: C1.2 33.38,50.63 U1#17.5
Board_9-GND: length 34.7
  Top w0.127: U2#6.11 30.45,44.33 ; U2#6.11 28.32,44.33 v1(28.1,44.1) ; U2#6.11 U2#6.14 29.34,46.28 ; C1.1 34.17,51.14 U1#17.4 34.17,49.19 34.21,49.15 v1(34.25,49.15) 34.25,49.11 U1#17.21 ; v1(25.8,44.3) 24.23,44.3 U2#6.10 23.59,44.33 23.25,44.67 23.25,49.87 23.55,50.18 U2#6.1 ; 27.25,54.33 27.25,52.58 J2#14.1 v1(25.96,51.14) 25,50.18 U2#6.1 ; U2#6.1 24.2,50.7 v1(23.6,51.3) ; U2#6.18 v1(29.75,48.25) U2#6.17
  Bottom w0.127: 35.95,48.59 35.13,48.59 v1(34.95,48.4) 34.76,48.59 34.66,48.59 ; 27.25,54.33 27.25,52.58 J2#14.1 ; 24.51,45.1 24.51,49.4 25.05,49.94 25.05,50.42 25.24,50.42 v1(25.96,51.14)
  vias: v1(23.95,57.75) v1(23.95,56.05) v1(24.56,56.9) v1(25.15,57.75) v1(25.15,56.05) v1(27.7,49.9) v1(27.7,49.1) v1(27.7,48.4) v1(30.5,48.75) v1(31.2,49.7) v1(31.2,49.1) v1(31.2,48.5) v1(31.7,48.8) v1(34.25,48.4) v1(34.95,49.15) v1(35.85,57.75) v1(35.85,56.05) v1(36.44,56.9) v1(37.05,57.75) v1(37.05,56.05)